# Altium PCB FIT_TDC_ADC.PcbDoc (part 5 of 10)
Units mm, origin at the board's own origin, x right, y up, seen from the top; angles counter-clockwise.
Board outline 89.38 x 69 mm, 8 copper layers (Top Layer, GND1, SIGNAL2, POWER3, POWER4, SIGNAL5, GND6, Bottom Layer), stack 1.028 mm thick; 495 components, 463 nets, 2013 pads, 1239 vias.
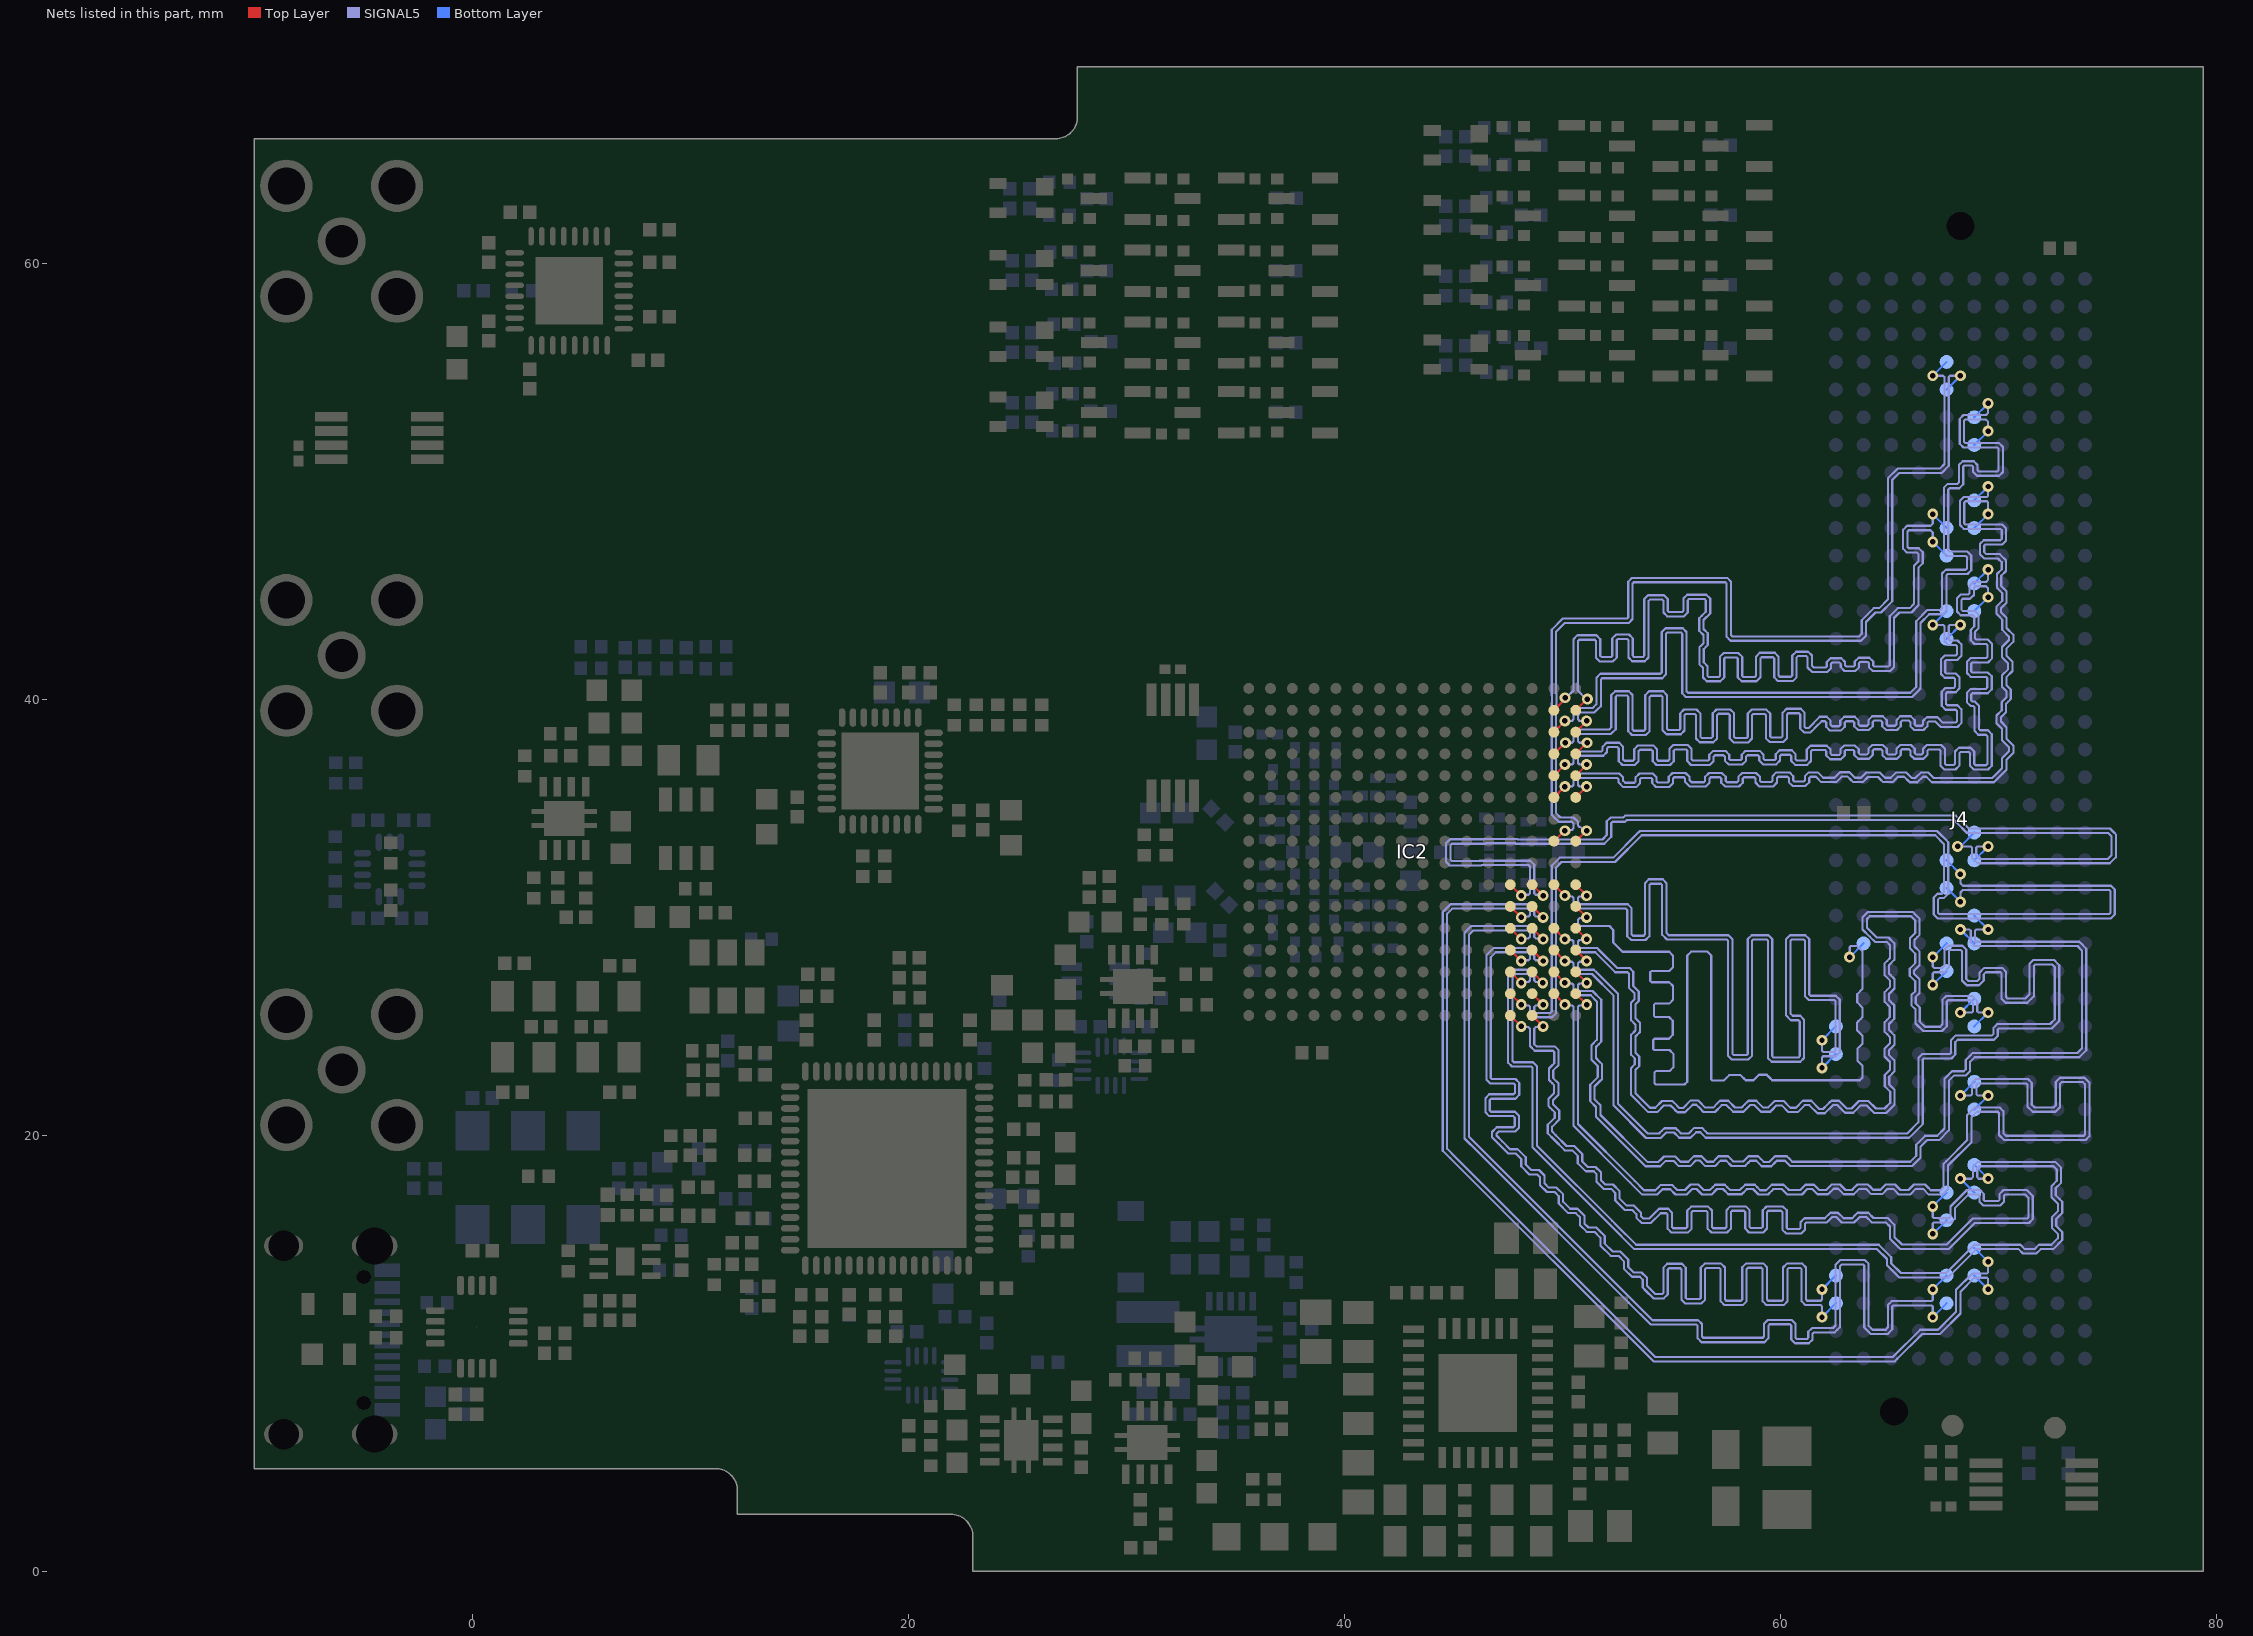
[diagram p11: the nets of this part, all layers, seen from the top]

## Via types
v1: diameter 0.5, hole 0.25, Top Layer to Bottom Layer, tented both sides, 1171 vias
v2: diameter 0.5, hole 0.25, Top Layer to Bottom Layer, tented bottom, 39 vias
v3: diameter 0.5, hole 0.25, Top Layer to Bottom Layer, 29 vias

## Nets (pads, with @x,y where several pads share a name; then routed paths per layer and width w, separated by ;. In a path a pad name is that pad's centre, name@x,y a point inside that pad or via, vN(x,y) a via of type N, cw(c..) or ccw(c..) an arc to the next point about the centre after c; other vN are vias at no path point) (continued)
DC_D7_N: IC2.B16 J4.f11 | length 45.7
  Top Layer w0.1: IC2.B16@50.604,39.485 51.115,39.997 v1(51.138,39.997)
  SIGNAL5 w0.1: v1(51.138,39.997) 51.09,39.997 50.697,40.39 50.697,40.741 50.704,40.748 50.704,42.664 50.762,42.722 51.473,42.722 51.531,42.664 51.531,41.899 51.707,41.723 52.306,41.723 52.481,41.899 52.481,42.701 52.54,42.759 52.963,42.759 53.022,42.701 53.022,41.908 53.198,41.732 53.77,41.732 53.946,41.908 53.946,44.501 54.004,44.56 54.568,44.56 54.627,44.501 54.627,43.966 54.802,43.791 55.565,43.791 55.741,43.966 55.741,44.526 55.8,44.584 56.511,44.584 56.57,44.526 56.57,44.007 56.385,43.822 56.268,43.705 56.268,43.132 56.461,42.94 56.461,42.556 56.333,42.429 56.275,42.37 56.275,41.598 56.441,41.432 56.441,40.988 56.617,40.812 57.239,40.812 57.415,40.988 57.415,41.851 57.474,41.91 57.98,41.91 58.038,41.851 58.038,40.988 58.214,40.812 58.897,40.812 59.072,40.988 59.072,41.862 59.131,41.921 59.648,41.921 59.707,41.862 59.707,40.996 59.882,40.821 60.56,40.821 60.735,40.996 60.735,41.911 60.794,41.969 61.179,41.969 61.237,41.911 61.237,41.449 61.446,41.24 62.14,41.24 62.316,41.416 62.316,41.614 62.375,41.673 62.698,41.673 62.756,41.614 62.756,41.464 62.932,41.288 63.427,41.288 63.602,41.464 63.602,41.638 63.661,41.697 63.99,41.697 64.048,41.638 64.048,41.464 64.224,41.288 65.028,41.288 65.203,41.464 65.203,43.719 65.454,43.969 66.003,43.969 66.32,44.286 66.32,46.029 66.52,46.229 66.52,46.74 66.344,46.915 65.879,46.915 65.82,46.974 65.82,47.687 65.879,47.746 66.877,47.746 66.98,47.643 v1(66.98,47.209)
  Bottom Layer w0.1: v1(66.98,47.209) J4.f11@67.615,46.574
DC_D7_P: IC2.B15 J4.f10 | length 46
  Top Layer w0.1: IC2.B15@49.604,39.485 50.096,39.977 50.096,40.038 v1(50.118,40.061)
  SIGNAL5 w0.1: v1(50.118,40.061) 50.168,40.061 50.497,40.39 50.497,40.824 50.504,40.831 50.504,42.747 50.68,42.922 51.555,42.922 51.731,42.747 51.731,41.982 51.79,41.923 52.223,41.923 52.281,41.982 52.281,42.784 52.457,42.959 53.046,42.959 53.222,42.784 53.222,41.991 53.28,41.932 53.687,41.932 53.746,41.991 53.746,44.584 53.921,44.76 54.651,44.76 54.827,44.584 54.827,44.049 54.885,43.991 55.483,43.991 55.541,44.049 55.541,44.609 55.717,44.784 56.594,44.784 56.77,44.609 56.77,43.924 56.468,43.622 56.468,43.215 56.661,43.023 56.661,42.473 56.602,42.414 56.475,42.287 56.475,41.681 56.641,41.515 56.641,41.07 56.7,41.012 57.156,41.012 57.215,41.07 57.215,41.934 57.391,42.11 58.063,42.11 58.238,41.934 58.238,41.07 58.297,41.012 58.814,41.012 58.872,41.07 58.872,41.945 59.048,42.121 59.731,42.121 59.907,41.945 59.907,41.079 59.965,41.021 60.477,41.021 60.535,41.079 60.535,41.994 60.711,42.169 61.262,42.169 61.437,41.994 61.437,41.532 61.529,41.44 62.058,41.44 62.116,41.499 62.116,41.697 62.292,41.873 62.781,41.873 62.956,41.697 62.956,41.547 63.015,41.488 63.344,41.488 63.402,41.547 63.402,41.721 63.578,41.897 64.073,41.897 64.248,41.721 64.248,41.547 64.307,41.488 64.945,41.488 65.003,41.547 65.003,43.801 65.371,44.169 65.92,44.169 66.12,44.369 66.12,46.111 66.32,46.311 66.32,46.657 66.261,46.715 65.796,46.715 65.62,46.891 65.62,47.77 65.796,47.946 66.88,47.946 66.98,48.046 v1(66.98,48.479)
  Bottom Layer w0.1: v1(66.98,48.479) J4.f10@67.615,47.844
DC_D8_N: IC2.C16 J4.e7 | length 45.7
  Top Layer w0.1: IC2.C16@50.604,38.485 51.104,38.985 v1(51.104,38.997)
  SIGNAL5 w0.1: v1(51.104,38.997) 50.776,38.997 50.704,39.069 50.704,39.253 50.839,39.389 51.466,39.389 51.583,39.506 51.749,39.672 51.757,39.68 51.757,40.897 51.816,40.956 54.571,40.956 54.747,41.132 54.747,42.99 54.805,43.048 55.429,43.048 55.487,42.99 55.487,40.262 55.663,40.086 66.027,40.086 66.144,40.203 66.303,40.362 66.42,40.479 66.42,43.487 66.821,43.889 67.431,43.889 67.606,44.065 67.606,45.674 67.665,45.733 68.571,45.733 68.747,45.909 68.747,46.587 68.571,46.763 67.747,46.763 67.689,46.821 67.689,49.611 67.747,49.669 68.201,49.669 68.377,49.845 68.377,50.651 68.436,50.709 68.774,50.709 68.833,50.651 68.833,50.414 69.008,50.238 70.025,50.238 70.201,50.414 70.201,51.562 70.025,51.738 68.476,51.738 68.417,51.796 68.417,52.767 68.476,52.826 69.417,52.826 69.52,52.723 v1(69.52,52.289)
  Bottom Layer w0.1: J4.e7@68.885,51.654 v1(69.52,52.289)
DC_D8_P: IC2.C15 J4.e6 | length 46
  Top Layer w0.1: IC2.C15@49.604,38.485 50.104,38.985 v1(50.104,38.997)
  SIGNAL5 w0.1: v1(50.104,38.997) 50.431,38.997 50.504,39.069 50.504,39.336 50.756,39.589 51.383,39.589 51.549,39.755 51.557,39.763 51.557,40.98 51.733,41.156 54.488,41.156 54.547,41.215 54.547,43.073 54.722,43.248 55.512,43.248 55.687,43.073 55.687,40.345 55.746,40.286 65.944,40.286 66.22,40.562 66.22,43.57 66.739,44.089 67.348,44.089 67.406,44.147 67.406,45.757 67.582,45.933 68.489,45.933 68.547,45.992 68.547,46.504 68.489,46.563 67.664,46.563 67.489,46.738 67.489,49.694 67.664,49.869 68.119,49.869 68.177,49.928 68.177,50.733 68.353,50.909 68.857,50.909 69.033,50.733 69.033,50.497 69.091,50.438 69.942,50.438 70.001,50.497 70.001,51.479 69.942,51.538 68.393,51.538 68.217,51.713 68.217,52.85 68.393,53.026 69.42,53.026 69.52,53.126 v1(69.52,53.559)
  Bottom Layer w0.1: J4.e6@68.885,52.924 v1(69.52,53.559)
DC_D9_N: IC2.D16 J4.f14 | length 45.4
  Top Layer w0.1: IC2.D16@50.604,37.485 51.115,37.997 v1(51.129,37.997)
  SIGNAL5 w0.1: v1(51.129,37.997) 50.776,37.997 50.704,38.069 50.704,38.311 50.79,38.397 52.215,38.397 52.436,38.617 52.436,40.1 52.495,40.158 52.952,40.158 53.01,40.1 53.01,38.523 53.186,38.347 53.816,38.347 53.992,38.523 53.992,40.095 54.051,40.154 54.532,40.154 54.59,40.095 54.59,38.557 54.766,38.382 55.419,38.382 55.595,38.557 55.595,39.26 55.653,39.319 56.061,39.319 56.119,39.26 56.119,38.193 56.295,38.018 56.912,38.018 57.088,38.193 57.088,39.263 57.146,39.322 57.612,39.322 57.67,39.263 57.67,38.186 57.846,38.011 58.515,38.011 58.691,38.186 58.691,39.254 58.749,39.313 59.266,39.313 59.324,39.254 59.324,38.207 59.5,38.032 60.117,38.032 60.293,38.207 60.293,39.293 60.352,39.351 60.845,39.351 60.904,39.293 60.904,38.644 61.079,38.468 61.367,38.468 61.426,38.527 61.644,38.745 61.883,38.984 62.035,38.984 62.094,38.925 62.094,38.727 62.27,38.552 62.764,38.552 62.94,38.727 62.94,38.925 62.999,38.984 63.322,38.984 63.38,38.925 63.38,38.752 63.556,38.576 64.051,38.576 64.226,38.752 64.226,38.95 64.285,39.008 64.608,39.008 64.667,38.95 64.667,38.752 64.842,38.576 65.337,38.576 65.513,38.752 65.513,38.95 65.571,39.008 65.894,39.008 65.953,38.95 65.953,38.752 66.07,38.635 66.128,38.576 66.557,38.576 66.733,38.752 66.733,38.908 66.791,38.967 67.096,38.967 67.345,38.718 68.116,38.718 68.292,38.894 68.292,39.535 68.116,39.711 67.649,39.711 67.59,39.77 67.59,40.255 67.649,40.314 68.031,40.314 68.207,40.489 68.207,40.998 68.031,41.174 67.614,41.174 67.555,41.233 67.555,41.737 67.614,41.796 68.116,41.796 68.292,41.972 68.292,42.509 68.116,42.685 67.773,42.685 67.715,42.743 67.715,43.341 67.773,43.399 v1(68.25,43.399)
  Bottom Layer w0.1: J4.f14@67.615,42.764 v1(68.25,43.399)
DC_D9_P: IC2.D15 J4.f13 | length 45.3
  Top Layer w0.1: IC2.D15@49.604,37.485 50.115,37.997 v1(50.125,37.997)
  SIGNAL5 w0.1: v1@50.104,37.997 v1(50.125,37.997) 50.431,37.997 50.504,38.069 50.504,38.394 50.707,38.597 52.133,38.597 52.236,38.7 52.236,40.183 52.412,40.358 53.034,40.358 53.21,40.183 53.21,38.606 53.269,38.547 53.734,38.547 53.792,38.606 53.792,40.178 53.968,40.354 54.614,40.354 54.79,40.178 54.79,38.64 54.849,38.582 55.336,38.582 55.395,38.64 55.395,39.343 55.571,39.519 56.144,39.519 56.319,39.343 56.319,38.276 56.378,38.218 56.829,38.218 56.888,38.276 56.888,39.346 57.063,39.522 57.694,39.522 57.87,39.346 57.87,38.269 57.929,38.211 58.432,38.211 58.491,38.269 58.491,39.337 58.667,39.513 59.348,39.513 59.524,39.337 59.524,38.29 59.583,38.232 60.034,38.232 60.093,38.29 60.093,39.376 60.269,39.551 60.928,39.551 61.104,39.376 61.104,38.727 61.162,38.668 61.285,38.668 61.8,39.184 62.118,39.184 62.294,39.008 62.294,38.81 62.353,38.752 62.681,38.752 62.74,38.81 62.74,39.008 62.916,39.184 63.405,39.184 63.58,39.008 63.58,38.835 63.639,38.776 63.968,38.776 64.026,38.835 64.026,39.033 64.202,39.208 64.691,39.208 64.867,39.033 64.867,38.835 64.925,38.776 65.254,38.776 65.313,38.835 65.313,39.033 65.488,39.208 65.977,39.208 66.153,39.033 66.153,38.835 66.211,38.776 66.474,38.776 66.533,38.835 66.533,38.991 66.708,39.167 67.195,39.167 67.444,38.918 68.033,38.918 68.092,38.977 68.092,39.452 68.033,39.511 67.566,39.511 67.39,39.687 67.39,40.338 67.566,40.514 67.948,40.514 68.007,40.572 68.007,40.915 67.948,40.974 67.531,40.974 67.355,41.15 67.355,41.82 67.531,41.996 68.033,41.996 68.092,42.055 68.092,42.426 68.033,42.485 67.691,42.485 67.515,42.661 67.515,43.341 67.456,43.399 v1(66.98,43.399)
  Bottom Layer w0.1: v1(66.98,43.399) J4.f13@67.615,44.034
DC_D10_N: IC2.E16 J4.e13 | length 45.5
  Top Layer w0.1: IC2.E16@50.604,36.485 51.104,36.985 v1(51.104,36.997)
  SIGNAL5 w0.1: v1(51.104,36.997) 50.776,36.997 50.704,37.069 50.704,37.311 50.79,37.397 51.862,37.397 52.038,37.572 52.038,37.735 52.096,37.793 52.517,37.793 52.576,37.735 52.576,37.147 52.752,36.971 53.31,36.971 53.486,37.147 53.486,37.615 53.544,37.674 54.074,37.674 54.132,37.615 54.132,37.147 54.308,36.971 54.927,36.971 55.103,37.147 55.103,37.632 55.162,37.691 55.658,37.691 55.717,37.632 55.717,37.154 55.892,36.978 56.753,36.978 56.929,37.154 56.929,37.364 56.988,37.422 57.386,37.422 57.445,37.364 57.445,37.172 57.621,36.997 58.243,36.997 58.418,37.172 58.418,37.364 58.477,37.422 58.96,37.422 59.019,37.364 59.019,37.179 59.195,37.004 59.8,37.004 59.975,37.179 59.975,37.389 60.034,37.448 60.431,37.448 60.49,37.389 60.49,37.155 60.666,36.979 61.223,36.979 61.398,37.155 61.398,37.6 61.457,37.659 62.037,37.659 62.095,37.6 62.095,37.412 62.271,37.237 62.766,37.237 62.824,37.295 62.941,37.412 62.941,37.61 63,37.669 63.323,37.669 63.382,37.61 63.382,37.437 63.557,37.261 64.052,37.261 64.228,37.437 64.228,37.635 64.286,37.693 64.609,37.693 64.668,37.635 64.668,37.437 64.844,37.261 65.338,37.261 65.514,37.437 65.514,37.635 65.573,37.693 65.896,37.693 65.954,37.635 65.954,37.437 66.071,37.32 66.13,37.261 66.558,37.261 66.734,37.437 66.734,37.633 66.793,37.691 67.28,37.691 67.338,37.633 67.338,36.945 67.514,36.769 68.025,36.769 68.201,36.945 68.201,37.511 68.259,37.569 68.625,37.569 68.684,37.511 68.684,36.941 68.86,36.765 69.509,36.765 69.685,36.941 69.685,38.39 69.509,38.566 69.153,38.566 69.094,38.624 69.094,39.705 68.918,39.881 68.804,39.881 68.745,39.94 68.745,40.208 68.804,40.266 69.507,40.266 69.683,40.442 69.683,41.041 69.507,41.217 68.806,41.217 68.748,41.276 68.748,41.621 68.806,41.679 69.516,41.679 69.692,41.855 69.692,42.548 69.516,42.724 68.978,42.724 68.92,42.782 68.92,43.086 69.026,43.193 69.085,43.251 69.085,43.867 68.909,44.043 68.35,44.043 68.292,44.101 68.292,44.538 68.35,44.596 68.694,44.596 68.752,44.655 68.869,44.772 68.869,45.111 68.928,45.169 69.42,45.169 69.52,45.069 v1(69.52,44.669)
  Bottom Layer w0.1: J4.e13@68.885,44.034 v1(69.52,44.669)
DC_D10_P: IC2.E15 J4.e12 | length 46
  Top Layer w0.1: IC2.E15@49.604,36.485 50.104,36.985 v1(50.104,36.997)
  SIGNAL5 w0.1: v1(50.104,36.997) 50.431,36.997 50.504,37.069 50.504,37.394 50.707,37.597 51.779,37.597 51.838,37.655 51.838,37.817 52.013,37.993 52.6,37.993 52.776,37.817 52.776,37.23 52.834,37.171 53.227,37.171 53.286,37.23 53.286,37.698 53.461,37.874 54.156,37.874 54.332,37.698 54.332,37.23 54.391,37.171 54.844,37.171 54.903,37.23 54.903,37.715 55.079,37.891 55.741,37.891 55.917,37.715 55.917,37.237 55.975,37.178 56.67,37.178 56.729,37.237 56.729,37.447 56.905,37.622 57.469,37.622 57.645,37.447 57.645,37.255 57.703,37.197 58.16,37.197 58.218,37.255 58.218,37.447 58.394,37.622 59.043,37.622 59.219,37.447 59.219,37.262 59.278,37.204 59.717,37.204 59.775,37.262 59.775,37.472 59.951,37.648 60.514,37.648 60.69,37.472 60.69,37.238 60.748,37.179 61.14,37.179 61.198,37.238 61.198,37.683 61.374,37.859 62.12,37.859 62.295,37.683 62.295,37.495 62.354,37.437 62.683,37.437 62.741,37.495 62.741,37.693 62.917,37.869 63.406,37.869 63.582,37.693 63.582,37.52 63.64,37.461 63.969,37.461 64.028,37.52 64.028,37.717 64.203,37.893 64.692,37.893 64.868,37.717 64.868,37.52 64.927,37.461 65.255,37.461 65.314,37.52 65.314,37.717 65.49,37.893 65.978,37.893 66.154,37.717 66.154,37.52 66.213,37.461 66.475,37.461 66.534,37.52 66.534,37.716 66.71,37.891 67.362,37.891 67.538,37.716 67.538,37.028 67.597,36.969 67.942,36.969 68.001,37.028 68.001,37.594 68.176,37.769 68.708,37.769 68.884,37.594 68.884,37.024 68.942,36.965 69.427,36.965 69.485,37.024 69.485,38.307 69.427,38.366 69.07,38.366 68.894,38.541 68.894,39.623 68.835,39.681 68.721,39.681 68.545,39.857 68.545,40.291 68.721,40.466 69.425,40.466 69.483,40.525 69.483,40.959 69.425,41.017 68.724,41.017 68.548,41.193 68.548,41.704 68.724,41.879 69.433,41.879 69.492,41.938 69.492,42.465 69.433,42.524 68.896,42.524 68.72,42.7 68.72,43.169 68.885,43.334 68.885,43.784 68.826,43.843 68.268,43.843 68.092,44.018 68.092,44.621 68.268,44.796 68.611,44.796 68.669,44.855 68.669,45.194 68.845,45.369 69.42,45.369 69.52,45.469 v1(69.52,45.939)
  Bottom Layer w0.1: J4.e12@68.885,45.304 v1(69.52,45.939)
DC_D11_N: IC2.F16 J4.e10 | length 45.5
  Top Layer w0.1: IC2.F16@50.604,35.485 v1(51.104,35.985)
  SIGNAL5 w0.1: v1(51.104,35.985) 50.776,35.985 50.704,36.058 50.704,36.299 50.79,36.385 52.51,36.385 52.569,36.327 52.569,36.176 52.786,35.96 53.375,35.96 53.551,36.135 53.551,36.327 53.609,36.385 54.053,36.385 54.111,36.327 54.111,36.142 54.287,35.967 54.892,35.967 55.067,36.142 55.067,36.352 55.126,36.411 55.56,36.411 55.618,36.352 55.618,36.202 55.835,35.985 56.564,35.985 56.739,36.161 56.739,36.352 56.798,36.411 57.222,36.411 57.281,36.352 57.281,36.161 57.456,35.985 58.089,35.985 58.264,36.161 58.264,36.352 58.323,36.411 58.793,36.411 58.852,36.352 58.852,36.168 59.028,35.992 59.656,35.992 59.832,36.168 59.832,36.378 59.891,36.437 60.322,36.437 60.381,36.378 60.381,36.187 60.557,36.011 61.137,36.011 61.312,36.187 61.312,36.378 61.371,36.437 61.623,36.437 61.872,36.188 62.552,36.188 62.806,36.442 63.074,36.442 63.211,36.305 63.328,36.188 63.77,36.188 64.009,36.428 64.464,36.428 64.586,36.305 64.704,36.188 65.14,36.188 65.257,36.305 65.388,36.437 65.667,36.437 65.863,36.241 65.921,36.183 66.274,36.183 66.528,36.437 66.682,36.437 66.939,36.179 69.793,36.179 70.355,36.741 70.355,37.204 70.678,37.528 70.678,37.865 70.36,38.183 70.36,38.712 70.106,38.966 70.106,39.162 70.346,39.402 70.346,39.784 70.444,39.882 70.561,39.999 70.561,40.436 70.355,40.642 70.355,41.004 70.637,41.286 70.637,41.716 70.355,41.998 70.355,42.304 70.678,42.628 70.678,42.945 70.364,43.26 70.364,43.726 70.11,43.98 70.11,44.168 70.364,44.422 70.364,44.944 70.124,45.183 70.124,45.655 70.34,45.871 70.34,46.359 70.052,46.648 69.43,46.648 69.339,46.738 69.339,47.028 69.398,47.086 70.165,47.086 70.34,47.262 70.34,47.828 70.165,48.004 68.484,48.004 68.425,48.063 68.425,49.011 68.484,49.069 69.461,49.069 69.52,49.011 v1(69.52,48.479)
  Bottom Layer w0.1: J4.e10@68.885,47.844 v1(69.52,48.479)
DC_D11_P: IC2.F15 J4.e9 | length 45.7
  Top Layer w0.1: IC2.F15@49.604,35.485 v1(50.104,35.985)
  SIGNAL5 w0.1: v1(50.104,35.985) 50.431,35.985 50.504,36.058 50.504,36.382 50.707,36.585 52.593,36.585 52.769,36.41 52.769,36.259 52.868,36.16 53.292,36.16 53.351,36.218 53.351,36.41 53.526,36.585 54.136,36.585 54.311,36.41 54.311,36.225 54.37,36.167 54.809,36.167 54.867,36.225 54.867,36.435 55.043,36.611 55.642,36.611 55.818,36.435 55.818,36.285 55.918,36.185 56.481,36.185 56.539,36.244 56.539,36.435 56.715,36.611 57.305,36.611 57.481,36.435 57.481,36.244 57.539,36.185 58.006,36.185 58.064,36.244 58.064,36.435 58.24,36.611 58.876,36.611 59.052,36.435 59.052,36.251 59.111,36.192 59.573,36.192 59.632,36.251 59.632,36.461 59.808,36.637 60.405,36.637 60.581,36.461 60.581,36.27 60.639,36.211 61.054,36.211 61.112,36.27 61.112,36.461 61.288,36.637 61.706,36.637 61.955,36.388 62.469,36.388 62.552,36.471 62.665,36.584 62.723,36.642 63.157,36.642 63.411,36.388 63.687,36.388 63.77,36.471 63.868,36.569 63.926,36.628 64.547,36.628 64.786,36.388 65.057,36.388 65.305,36.637 65.75,36.637 66.004,36.383 66.192,36.383 66.446,36.637 66.765,36.637 67.022,36.379 69.71,36.379 70.155,36.824 70.155,37.287 70.478,37.611 70.478,37.782 70.16,38.1 70.16,38.629 70.024,38.766 69.906,38.883 69.906,39.245 70.146,39.485 70.146,39.784 70.146,39.867 70.361,40.082 70.361,40.353 70.155,40.559 70.155,41.087 70.437,41.369 70.437,41.633 70.155,41.916 70.155,42.387 70.478,42.711 70.478,42.862 70.164,43.177 70.164,43.421 70.164,43.643 69.968,43.839 69.91,43.897 69.91,44.25 70.164,44.504 70.164,44.861 70.081,44.944 69.983,45.042 69.924,45.1 69.924,45.737 70.14,45.954 70.14,46.277 69.969,46.448 69.347,46.448 69.139,46.656 69.139,47.11 69.315,47.286 70.082,47.286 70.14,47.345 70.14,47.746 70.082,47.804 68.401,47.804 68.225,47.98 68.225,49.094 68.401,49.269 69.461,49.269 69.52,49.328 v1(69.52,49.749)
  Bottom Layer w0.1: J4.e9@68.885,49.114 v1(69.52,49.749)
DC_STR_N: IC2.H16 J4.f5 | length 45.8
  Top Layer w0.1: IC2.H16@50.604,33.485 50.617,33.485 51.091,33.96 v1(51.104,33.96)
  SIGNAL5 w0.1: v1(51.104,33.96) 50.996,33.96 50.818,34.137 50.762,34.137 50.704,34.196 50.704,34.368 50.503,34.569 49.903,34.569 49.704,34.768 49.704,39.734 49.718,39.748 49.718,40.245 49.704,40.26 49.704,43.102 50.094,43.492 53.034,43.492 53.21,43.668 53.21,45.298 53.269,45.356 57.467,45.356 57.525,45.298 57.525,42.851 57.642,42.734 57.701,42.675 63.69,42.675 63.92,42.905 63.92,43.534 64.355,43.969 64.603,43.969 65.12,44.486 65.12,50.047 65.442,50.369 67.386,50.369 67.715,50.698 67.715,54.771 67.773,54.829 v1(68.25,54.829)
  Bottom Layer w0.1: J4.f5@67.615,54.194 v1(68.25,54.829)
DC_STR_P: IC2.H15 J4.f4 | length 45.9
  Top Layer w0.1: IC2.H15@49.604,33.485 49.617,33.485 50.091,33.96 v1(50.104,33.96)
  SIGNAL5 w0.1: v1(50.104,33.96) 50.14,33.996 50.43,33.996 50.504,34.069 50.504,34.285 50.42,34.369 49.82,34.369 49.62,34.569 49.504,34.685 49.504,39.816 49.518,39.831 49.518,40.162 49.504,40.177 49.504,43.185 50.011,43.692 52.951,43.692 53.01,43.75 53.01,45.38 53.186,45.556 57.549,45.556 57.725,45.38 57.725,42.934 57.784,42.875 63.607,42.875 63.72,42.988 63.72,43.617 64.273,44.169 64.52,44.169 64.92,44.569 64.92,50.13 65.359,50.569 67.303,50.569 67.515,50.781 67.515,54.771 67.456,54.829 v1(66.98,54.829)
  Bottom Layer w0.1: v1(66.98,54.829) J4.f4@67.615,55.464
DD_CLK_N: IC2.K16 J4.k29 | length 49.7
  Top Layer w0.1: IC2.K16@50.604,31.485 51.104,30.985 v1(51.104,30.976)